# KiCad board k-1008-visable-memory.kicad_pcb (continued)
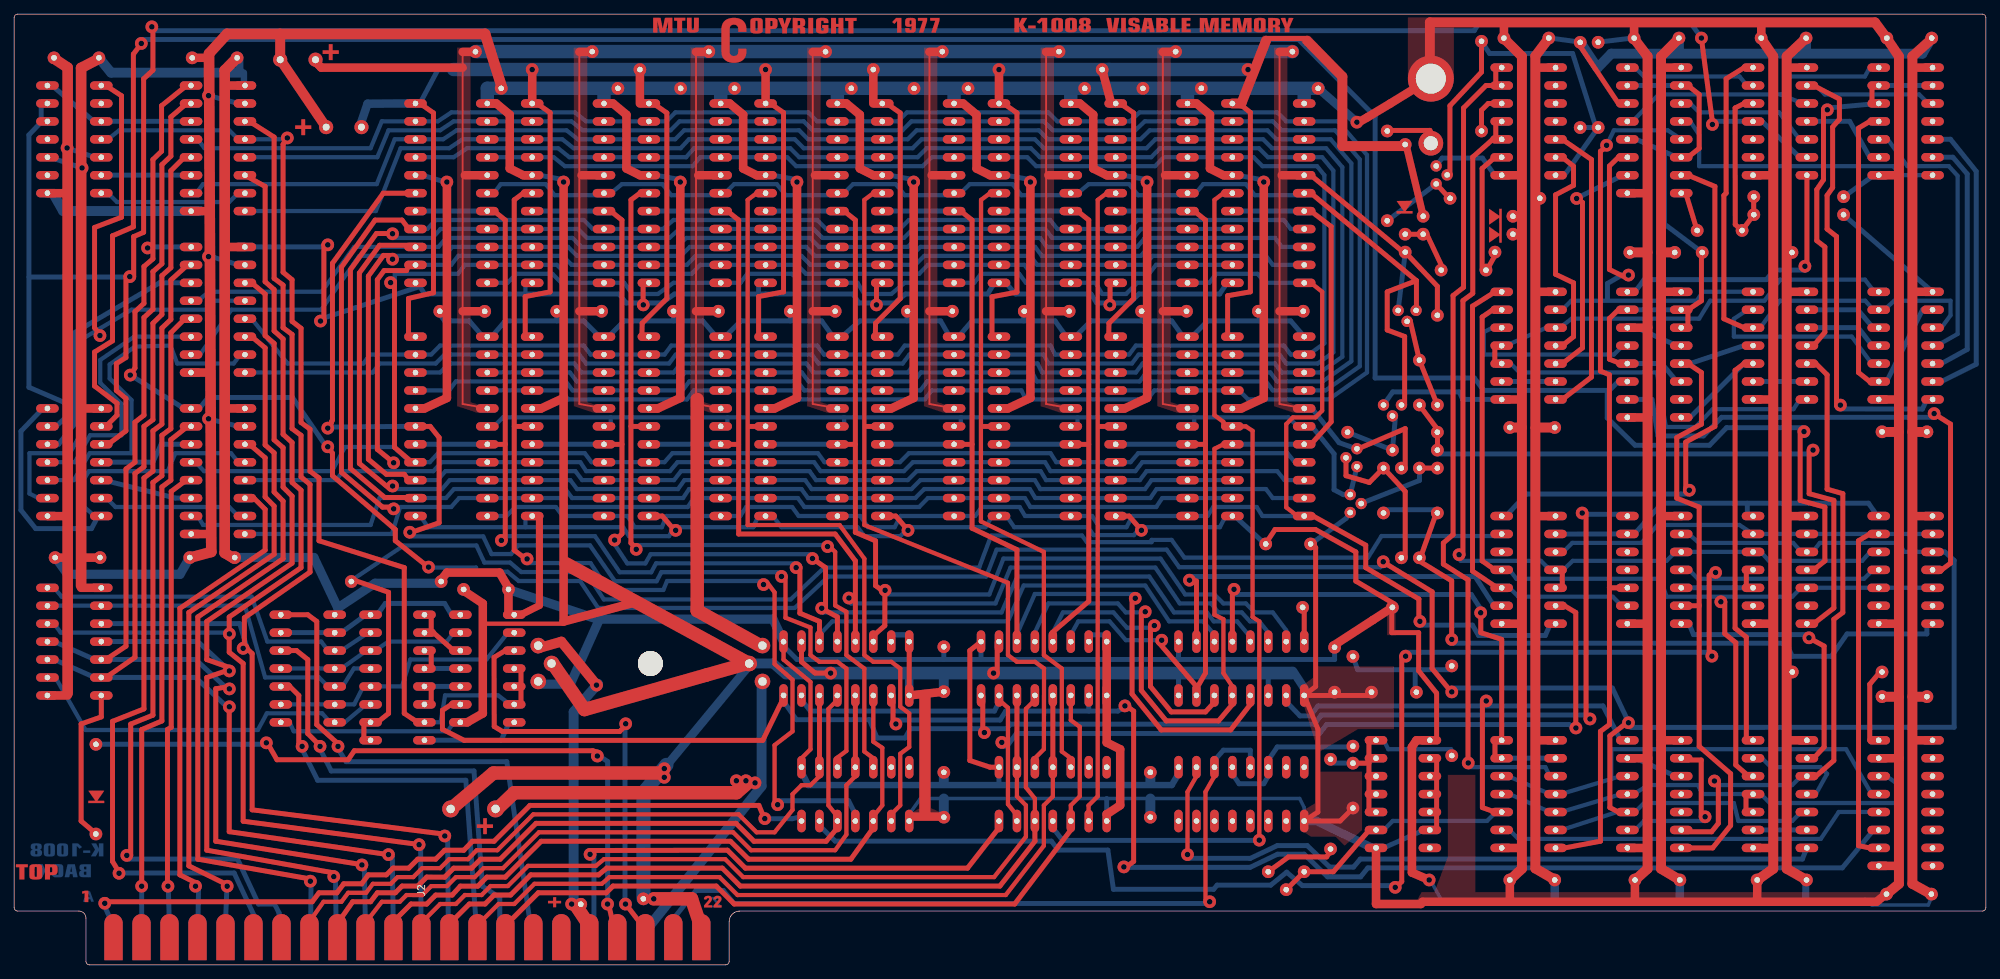
[diagram p0: board, top side]
## Nets (continued)
Net-(Q7-E): Q7.1 R14.1 R15.1
Net-(R16-Pad1): R16.1 U44.3
Net-(S1A-Pin_1): S1.1 U2.2 U2.13 U3.1
Net-(S1A-Pin_2): S1.2 U1.1 U2.12
Net-(S1A-Pin_3): S1.3 U2.4 U2.11 U3.2
Net-(S1A-Pin_4): S1.4 U1.2 U1.13 U2.10
Net-(S1A-Pin_5): S1.5 U2.6 U2.9 U3.13
Net-(S1A-Pin_6): S1.6 U1.6 U2.8
Net-(S1A-Pin_11): S1.11 S1.12 U3.5
Net-(S1A-Pin_13): S1.13 S1.14 U3.4
Net-(S1A-Pin_15): S1.15 S1.16 U3.3
Net-(S1B-Pin_7): R1.1 S1.7 S1.8 U15.2
Net-(S1B-Pin_9): S1.9 U3.8
Net-(U8B-O5b): R3.1 U8.11 U8.13
Net-(U8B-OEb): U8.15 U13.8
Net-(U9A-Clr): R4.1 U9.9
Net-(U9A-PE): U9.15 U15.6
Net-(U9A-Qh): U9.13 U11.1 U11.2 U11.13
Net-(U11-Pad12): U11.12 U44.1 U44.2
Net-(U12A-Q3): U12.6 U12.13
Net-(U12B-Q2): U12.9 U13.12 U31.10
Net-(U12B-Q3): U12.8 U16.9 U30.12 U31.4
Net-(U13-Pad6): U13.6 U13.9
Net-(U13-Pad11): U13.2 U13.11
Net-(U13-Pad13): U13.13 U16.8
Net-(U14A-~{Q}): U14.7 U15.12 U17.2 U17.13 U18.2 U18.13
Net-(U14A-~{R}): R6.2 U14.1
Net-(U14A-~{S}): U11.6 U14.5
Net-(U15-Pad5): U15.5 U16.6 U29.1
Net-(U15-Pad10): U15.10 U15.11 U16.12 U17.3 U18.3 U44.4 U44.5
Net-(U15-Pad13): U15.13 U16.2 U17.1 U18.1
Net-(U16-Pad10): U16.10 U17.4 U17.5
Net-(U16-Pad11): U4.2 U16.11 U18.4
Net-(U19A-CP): U19.1 U19.8 U20.13
Net-(U19A-Q0): U19.3 U33.3
Net-(U19A-Q1): U19.4 U33.6
Net-(U19A-Q2): U19.5 U33.10
Net-(U19A-Q3): U19.6 U33.13 U34.14
Net-(U19B-Q0): U19.11 U20.3
Net-(U19B-Q1): U19.10 U20.6
Net-(U19B-Q2): U19.9 U20.10
Net-(U29-Pad6): U29.6 U29.9
Net-(U29-Pad8): U29.8 U44.10
Net-(U29-Pad11): U29.11 U44.9
Net-(U30A-C): U29.3 U30.4
Net-(U30A-~{R}): U30.1 U46.8
Net-(U30B-~{Q}): U13.1 U30.9 U31.5
Net-(U31-Pad6): U31.6 U31.9
Net-(U31-Pad11): U31.11 U47.2 U47.3 U47.13
Net-(U32A-CP): U29.4 U29.5 U29.12 U31.8 U32.1
Net-(U32A-MR): U31.3 U32.2 U32.12 U46.1
Net-(U32A-Q0): U31.13 U32.3
Net-(U32A-Q1): U31.12 U32.4
Net-(U32A-Q2): U31.2 U32.5
Net-(U32A-Q3): U32.6 U32.13 U47.4
Net-(U32B-Q0): U32.11 U47.5
Net-(U32B-Q1): U32.10 U47.9
Net-(U32B-Q2): U32.9 U47.10
Net-(U32B-Q3): U32.8 U46.13 U47.12
Net-(U34A-CP1..3): U34.1 U34.12 U35.3
Net-(U34A-Q1): U34.9 U35.6
Net-(U34A-Q2): U34.8 U35.10
Net-(U45A-C): U45.4 U46.12 U47.1
Net-(U45A-Q): U29.13 U31.1 U45.6
Net-(U45A-~{Q}): U29.10 U45.7
Net-(U45A-~{R}): U45.1 U46.2
Net-(U45B-C): U11.8 U16.5 U45.12
Net-(U45B-J): U45.14 U46.10
Net-(U45B-Q): U15.1 U45.10
Net-(U45B-~{K}): U45.13 U47.8
Net-(U45B-~{Q}): C33.2 U45.9
Net-(U46-Pad11): U46.11 U47.6

Pads without a net: J2 1 2 3 4 5 6 7 16 17 21 U W Z; U4 8 9; U6 8 9; U8 1 2 3 4 5 6 7 9 10; U10 8; U12 10 11; U14 9 10 11 12 13 14 15; U15 3; U16 3 4; U17 6 9; U18 6 9; U30 10; U34 4 6 13; U44 11 12 13; U46 5 6; U47 11

## Via types
v1: diameter 1.8, hole 0.8, Top to Bottom, 141 vias

## Routing (per net, layer and track width the routed paths; a pad name or vN(x,y) marks a point on that pad's centre or on a via; arc(x,y) is an arc through that point)
+5V: length 1626.2
  Top w0.6: 111.39,27.99 111.39,29.26 112.66,30.53 112.66,40.05 108.85,43.23 108.85,45.77
  Top w0.7: 155.04,96.58 155.04,93.41 ; 201.24,31.8 201.24,38.46 198.7,41.64 198.7,47.04 194.89,47.04 194.89,50.85 ; 228.23,121.97 226.96,121.97 221.25,130.54 ; 126.63,61.32 124.73,63.55 122.82,63.55 ; 159.65,61.32 157.75,63.55 155.84,63.55 ; 139.33,27.99 138.06,27.99 135.2,28.94 135.2,44.5 136.79,45.77 ; 43.82,91.17 43.82,101.96 ; 177.11,59.74 178.38,61.64 184.1,61.64 189.81,58.47 189.81,54.34 195.21,51.13 ; 88.98,96.57 88.98,93.39 ; 93.61,61.32 91.71,63.55 89.8,63.55 ; 122,96.62 122,93.44
  Top w1: 74.32,63.59 74.32,50.89 71.7,49.58 70.75,49.58
  Top w1.2: 253.63,63.55 250.77,63.55 ; 69.93,53.07 69.93,49.58 ; 200.2,12.02 197.75,13.06 197.75,30.84 198.39,31.8 200.29,31.8 ; 271.41,31.8 268.55,31.8 ; 253.63,95.3 250.77,95.3 ; 218.07,127.05 215.21,127.05 ; 271.41,127.05 268.55,127.05 ; 12.33,53.39 9.48,53.39 ; 235.85,63.55 232.99,63.55 ; 32.65,124.51 29.79,124.51 ; 235.85,31.8 232.99,31.8 ; 195.11,50.7 192.23,48.83 186.64,45.2 ; 12.33,78.79 9.48,78.79 ; 218.07,31.8 215.21,31.8 ; 235.85,95.3 232.99,95.3 ; 218.07,95.3 215.21,95.3 ; 218.07,63.55 215.21,63.55 ; 32.65,78.79 29.79,78.79 ; 235.85,127.05 232.99,127.05 ; 253.63,127.05 250.77,127.05 ; 271.41,63.55 268.55,63.55 ; 32.65,101.65 29.79,101.65 ; 250.77,31.8 253.63,31.8 ; 60.27,54.34 61.23,55.55 68.68,55.55 70.12,53.07 ; 9.48,57.67 12.02,57.67 ; 271.41,95.3 268.55,95.3
  Top w1.4: 271.41,9.89 268.55,11.48 268.55,128.63 271.26,131.08 ; 253.51,131.22 250.77,128.63 250.77,13.61 253.57,12.01 ; 232.99,100.88 234.9,100.88 ; 268.55,75.46 270.46,75.46 ; 268.55,37.97 270.46,37.97 ; 217.13,131.22 215.21,128.68 215.21,13.66 217.96,12.05 ; 215.22,76.08 217.91,76.08 ; 235.66,12.01 232.99,13.61 232.99,128.63 235.52,131.17
  Top w1.5: 31.07,57.57 29.79,58.33 29.79,126.66 31.57,128.48 ; 9.48,53.7 9.48,127 12.02,128.32
  Bottom w0.5: 271.41,9.9 270.8,8.47 262.83,8.47 261.88,9.27 201.87,9.27 200.29,12.13
  Bottom w0.6: 72.33,94.99 72.33,96.58 ; 172.35,63.56 171.39,63.56 170.59,61.97 159.33,61.97 158.43,60.85 152.71,60.85 151.94,61.97 141.48,61.97 140.41,63.56 138.37,63.56 137.42,61.97 126.63,61.97 125.36,60.7 120.28,60.7 119.32,61.97 108.55,61.97 107.34,63.56 105.28,63.56 104.57,61.97 93.29,61.97 92.65,60.7 86.98,60.7 86.16,61.97 58.54,61.97 57.47,63.56 56.78,63.56 ; 72.33,61.97 72.33,63.56
  Bottom w0.7: 164.73,45.78 164.73,43.24 ; 186.82,45.14 186.82,43.24 110.75,43.24 108.85,45.14 108.85,45.78 ; 5.03,114.36 9.79,112.77 ; 176.8,59.75 172.66,63.56 ; 217.11,131.26 221.58,130.65 ; 271.41,95.31 258.82,106.2 ; 105.32,96.57 105.32,95.01 ; 136.79,45.78 136.79,43.24 ; 131.53,43.24 131.53,45.14 ; 32.65,101.66 44.39,101.66 ; 172.35,96.58 171.61,96.58 170.55,94.99 159.11,94.99 157.84,93.72 153.15,93.72 152.34,94.99 141.67,94.99 140.28,96.58 138.69,96.58 137.74,94.99 126.1,94.99 124.58,93.72 119.5,93.72 118.69,94.99 93.43,94.99 91.62,93.72 86.56,93.72 85.61,94.99 58.05,94.99 57.41,96.06 43.2,91.39 ; 139.33,28 139.33,25.46
  Bottom w0.9: 111.39,28 111.39,27.37 112.34,25.46 163.77,25.46 164.73,27.05 164.73,28 ; 32.51,124.42 32.51,126.33
  Bottom w1: 253.47,12.03 253.47,9.26
  Bottom w1.1: 31.89,126.42 31.89,128.44
  Bottom w1.2: 235.65,11.91 235.65,9.26 ; 217.96,12.03 217.96,9.26
  Bottom w1.3: 73.92,39.75 78.68,39.75 82.81,48.96 107.35,48.96 108.78,45.94 ; 82.49,48.96 70.11,53.08 ; 31.38,57.68 42.41,57.68 45.8,50.54 51.06,54.04 60.41,54.04
  Bottom w1.4: 235.53,129.4 235.53,131.41 ; 131.53,25.96 131.53,27.28 ; 12.16,128.23 13.71,126.33 32.02,126.33 ; 221.57,130.65 224,127 225.95,129.02 269.97,129.02 271.27,131.28 ; 253.51,129.4 253.51,131.41 ; 160.75,25.92 160.75,27.26
  vias: v1(9.61,112.84) v1(43.34,91.16) v1(44.37,101.95) v1(89.01,93.45) v1(93.59,61.53) v1(122,93.45) v1(126.46,61.53) v1(155.01,93.45) v1(159.48,61.53) v1(200.19,12.02)
+12V: length 730.6
  Top w0.265: 149.49,78.79 146,79.42 146,129.27 ; 112.98,129.27 112.98,79.42 116.47,78.79 ; 66.94,78.79 63.45,79.42 63.45,129.27 ; 83.45,78.79 79.96,79.42 79.96,129.27 ; 96.47,129.27 96.47,79.42 99.96,78.79 ; 129.49,129.27 129.49,79.42 132.98,78.79 ; 162.51,129.27 162.51,79.42 166,78.79 ; 179.02,129.27 179.02,79.42 182.51,78.79
  Top w0.7: 201.36,92.12 201.36,96.08 196.8,100.91 ; 196.8,70.21 196.8,75.93 190.13,73.07 ; 196.8,100.69 183.46,111.81 182.51,111.81
  Top w1.2: 116.15,92.56 112.98,92.56 ; 131.39,129.27 129.49,129.27 ; 164.41,129.27 162.51,129.27 ; 166,111.81 162.83,111.81 ; 83.45,111.81 80.28,111.81 ; 83.13,92.56 79.96,92.56 ; 81.86,129.27 79.96,129.27 ; 66.62,92.56 63.45,92.56 ; 65.35,129.27 63.45,129.27 ; 98.37,129.27 96.47,129.27 ; 180.92,129.27 179.02,129.27 ; 132.66,92.56 129.49,92.56 ; 132.98,111.81 129.81,111.81 ; 99.96,111.81 96.79,111.81 ; 149.17,92.56 146,92.56 ; 182.19,92.56 179.02,92.56 ; 149.49,111.81 146.32,111.81 ; 116.47,111.81 113.3,111.81 ; 99.64,92.56 96.47,92.56 ; 42.49,128 43.45,127.05 63.45,127.05 ; 182.51,111.81 179.34,111.81 ; 114.88,129.27 112.98,129.27 ; 147.9,129.27 146,129.27 ; 165.68,92.56 162.51,92.56 ; 66.94,111.81 63.77,111.81
  Top w1.9: 105.68,45.13 96.64,50.16 96.64,80.06
  Bottom w0.7: 195.79,92.67 196.82,100.92 ; 189.97,73.06 187.45,73.94 183.61,78.8 182.5,78.8
  Bottom w1.9: 180.84,129.32 65.26,129.32
-5V: length 508.1
  Top w0.7: 55.79,88.95 55.79,94.36 59.32,95.17 59.32,120.63 57.42,121.97 56.78,121.97 ; 72.3,88.98 72.3,94.63 75.83,95.29 75.83,120.66 73.93,122 73.29,122 ; 154.85,88.95 154.89,90.85 158.38,94.34 158.38,120.63 156.48,121.97 155.84,121.97 ; 171.68,88.95 171.68,94.75 174.89,95.3 174.89,120.7 173.3,121.97 172.67,121.97 ; 121.83,88.95 121.87,90.85 125.36,94.34 125.36,120.63 123.46,121.97 122.82,121.97 ; 89.8,121.97 90.44,121.97 92.34,120.63 92.34,94.34 88.85,90.85 88.81,88.95 ; 139.33,121.97 139.97,121.97 141.87,120.63 141.87,95.26 138.34,94.6 138.34,88.95 ; 105.32,88.98 105.32,94.63 108.85,95.29 108.85,120.66 106.95,122 106.31,122 ; 177.11,131.17 182.83,131.17
  Top w1: 196.89,116.25 199.34,106.09
  Top w1.2: 139.33,121.97 139.33,126.73 ; 106.31,121.97 106.31,126.73 ; 153.94,126.73 155.21,121.97 ; 121.55,121.97 121.55,126.73 ; 73.29,121.97 73.29,126.73 ; 88.53,121.97 88.53,126.73
  Top w1.4: 177.11,130.86 173.62,121.97 172.35,121.97 ; 182.93,130.86 187.91,125.78 187.91,115.93 196.8,115.93
  Bottom w0.7: 56.78,121.98 57.41,121.98 59.95,126.74 62.17,126.74
  Bottom w1.2: 56.78,121.98 50,121.94 48.87,118.62
  Bottom w1.9: 174.56,126.78 62.17,126.78
  vias: v1(73.29,126.77) v1(106.31,126.77) v1(139.33,126.77) v1(174.56,126.77)
/+7.5V_RAW: length 47
  Top w1.4: 82.5,39.52 77.42,45.77 74.09,44.82
  Top w1.9: 79.58,8.26 81.23,5.76
  Bottom w1.4: 79.15,8.63 79.15,35.82 82.59,39.81
  vias: v1(78.87,8.61) v1(82.39,39.61)
/+16V_RAW: length 78.2
  Top w1.9: 68.21,21.95 70.75,24.37 102.18,24.37 103.77,25.76
  Bottom w1.4: 105.75,40.07 105.75,25.31 89.26,4.72
  vias: v1(102.18,26.07) v1(103.53,26.07) v1(104.82,25.77)
GND: length 2385.4
  Top w0.25: 37.64,131.8 37.63,131.81 ; 266.62,29.26 266.65,29.23 ; 231.06,90.22 231.09,90.25
  Top w0.6: 66.31,48.31 77.74,48.31
  Top w0.7: 201.24,19.1 201.24,29.26 ; 182.51,38.15 184.13,39.42 184.13,59.09 183.46,59.74 ; 182.51,38.15 184.45,33.38 184.45,21.64 182.51,20.37 187.59,20.37 189.5,22.27 ; 182.51,38.15 192.04,38.15 ; 115.52,41.32 113.3,41.32 111.39,42.91 111.39,45.77 ; 139.08,45.77 139.08,41.32 ; 126.63,45.77 126.63,38.15
  Top w1.2: 110.76,110.85 110.76,80.27 107.58,78.79 106.31,78.79 ; 56.78,78.79 58.05,78.79 61.23,80.27 61.23,110.85 ; 263.79,48.31 266.65,48.31 ; 160.29,110.85 160.29,80.27 157.11,78.79 155.84,78.79 ; 228.23,77.52 231.09,77.52 ; U14.2 266.62,29.26 ; 210.45,80.06 213.31,80.06 ; U12.2 231.09,29.26 ; 229.18,131.49 229.18,133.08 ; 73.29,78.79 74.56,78.79 77.74,80.27 77.74,110.85 ; 25.03,61.01 27.89,61.01 ; 210.45,16.56 213.31,16.56 ; 176.8,110.85 176.8,80.27 173.62,78.79 172.35,78.79 ; 89.8,78.79 91.07,78.79 94.25,80.27 94.25,110.85 ; 247.17,133.08 247.17,131.17 ; 25.03,83.87 27.57,83.87 ; 265.06,10.21 263.47,8.94 199.25,8.94 199.02,8.62 192.67,8.62 192.67,16.56 ; 154.57,21.32 156.48,22.59 156.48,30.53 154.57,31.48 154.57,38.15 ; 132.98,121.97 134.25,121.97 136.16,120.38 136.16,112.76 138.06,111.81 139.33,111.81 ; 246.01,16.56 248.87,16.56 ; 126.63,21 131.39,21 ; 143.78,110.85 143.78,80.27 140.6,78.79 139.33,78.79 ; 263.79,80.06 266.65,80.06 ; 228.23,48.31 231.09,48.31 ; 77.74,80.37 77.74,48.61 ; 246.01,80.06 248.87,80.06 ; 166,121.97 167.27,121.97 169.18,120.38 169.18,112.76 171.08,111.81 172.35,111.81 ; 211.6,8.96 211.6,12 ; 126.63,38.15 131.52,38.68 ; 229.3,8.94 229.3,11.97 ; 228.23,109.27 231.09,109.27 ; 64.08,34.34 66.31,35.61 66.31,51.16 63.45,53.07 ; 210.45,48.31 213.31,48.31 ; 89.8,111.81 88.53,111.81 86.63,112.76 86.63,120.38 84.72,121.97 83.45,121.97 ; 77.74,48.61 88.21,51.42 ; 246.01,111.81 248.87,111.81 ; 127.27,110.85 127.27,80.27 124.09,78.79 122.82,78.79 ; 116.47,121.97 117.74,121.97 119.65,120.38 119.65,112.76 121.55,111.81 122.82,111.81 ; 210.45,111.81 213.31,111.81 ; 155.84,111.81 154.57,111.81 152.67,112.76 152.67,120.38 150.76,121.97 149.49,121.97 ; 190.32,119.36 191.44,120 194.7,121.97 199.34,124.82 ; U7.8 U7.9 ; 246.01,48.31 248.87,48.31 ; 27.57,128.43 25.35,128.43 ; 246.6,8.95 246.6,11.98 ; 4.71,38.15 7.57,38.15 ; 263.79,14.02 266.65,14.02 ; 263.79,111.81 266.65,111.81 ; 4.71,109.27 7.57,109.27 ; 5.98,57.67 7.57,57.67 ; 210.77,131.49 210.77,133.08 ; 99.96,121.97 101.23,121.97 103.14,120.38 103.14,112.76 105.04,111.81 106.31,111.81 ; 73.29,111.81 72.02,111.81 70.12,112.76 70.12,120.38 68.21,121.97 66.94,121.97 ; 228.23,16.56 231.09,16.56 ; 4.71,63.55 7.57,63.55 ; U30.3 231.06,90.22 ; 25.03,106.73 27.57,106.73
  Top w1.4: C51.2 37.64,131.8 ; 210.77,131.17 213.31,128.63 213.31,13.61 211.6,12.01 ; 229.17,131.17 231.09,128.63 231.09,13.61 229.32,12.01 ; 264.93,131.19 263.26,133.45 200.29,133.45 200.29,125.46 ; 264.11,37.97 266.65,37.97 ; 44.14,118.59 37.65,128.18 ; 246.6,12.01 248.87,13.61 248.87,128.63 247.15,131.19 ; 211.56,76.08 213.3,76.08 ; 264.95,131.17 266.65,128.63 266.65,11.48 264.74,9.89 ; 228.55,100.88 231.09,100.88 ; 264.43,75.46 266.65,75.46
  Top w1.5: 69.05,124.14 66.62,131.81 30.11,131.81 27.57,129.03 27.89,58.47 25.03,57.7 ; 7.57,38.46 7.57,127.05 5.67,128.32
  Top w1.6: 128.85,21.32 128.85,38.15
  Top w1.9: 90.48,9.35 95.83,9.35 97.25,5.13 ; 76.14,42.76 80.69,36.15 97.9,41.03 103.9,42.73 ; 91.71,27.17 67.81,27.17 61.76,22.07 ; 104.09,42.59 78.09,56.79
  Bottom w0.5: 182.51,20.38 182.51,22.29 181.87,23.56 128.21,23.56 126.63,21.33 126.63,20.38
  Bottom w0.6: 37.73,34.35 38.96,34.35 39.55,33.08 61.34,33.08 62.17,34.35 63.13,34.35
  Bottom w0.7: 122.82,111.82 123.77,111.82 127.26,111.18 ; 143.77,111.18 140.28,111.82 139.33,111.82 ; 224.12,130.65 229.2,131.26 ; 235.68,26.73 235.04,26.73 229.33,29.27 228.06,29.27 ; 152.03,46.73 154.57,46.73 ; 172.03,111.82 172.98,111.82 176.47,111.18 ; 154.57,20.38 154.57,23.56 ; 201.18,113.13 202.02,114.24 207.74,114.24 209.45,111.82 210.45,111.82 ; 182.51,88.96 180.6,91.18 168.85,91.18 166.63,88.96 165.36,88.96 163.77,91.18 152.34,91.18 150.12,88.96 148.85,88.96 147.26,91.18 135.52,91.18 133.61,88.96 132.34,88.96 131.07,91.18 119.64,91.18 117.1,88.96 115.83,88.96 114.24,91.18 102.81,91.18 100.59,88.96 99.32,88.96 97.42,91.18 86.3,91.18 84.08,88.96 82.81,88.96 80.59,91.18 69.48,91.18 67.57,88.96 66.3,88.96 64.4,91.18 60.9,91.18 59.95,92.45 ; 193.73,79.28 195.04,81.13 204.45,81.13 204.93,80.07 210.31,80.07 ; 27.57,77.3 31.69,76.26 32.65,76.26 ; 93.29,91.18 93.29,92.45 ; 126.31,91.18 126.31,92.45 ; 109.8,91.18 109.8,92.45 ; 32.65,99.12 31.69,99.12 27.57,100.39 ; 235.85,87.69 235.21,87.69 229.5,90.23 228.23,90.23 ; 160.28,111.18 156.79,111.82 155.84,111.82 ; 142.82,91.18 142.82,92.45 ; 159.65,91.18 159.65,92.45 ; 94.24,111.18 90.75,111.82 89.8,111.82 ; 76.78,91.18 76.78,92.72 ; 60.9,110.87 57.73,111.82 56.78,111.82 ; 176.16,91.18 176.16,92.45 ; 106.31,111.82 107.26,111.82 110.75,111.18 ; 177.43,38.16 177.43,41.34 ; 73.29,111.82 74.24,111.82 77.73,111.18 ; 32.65,121.98 31.69,121.98 27.25,123.16 ; 263.79,111.82 263.15,111.82 258.83,108.76 ; 7.57,115.63 11.38,114.36 12.33,114.36 ; 200.12,19.11 199.48,19.11 193.77,16.57 192.5,16.57 ; 189.04,64.06 188.45,63.23 183.44,59.58 ; 164.73,38.16 164.73,41.34 ; 124.09,46.73 126.63,46.73 124.09,46.73
  Bottom w1.2: 183.04,20.38 184.24,20.38 192.12,16.57 ; 154.57,38.16 154.57,41.34 ; 126.63,38.16 126.63,41.34 ; 104.18,42.61 92.65,28.63 ; 189.96,119.33 184.48,124.12 ; 180.92,41.62 182.51,39.18 182.51,38.16
  Bottom w1.3: 5.98,57.53 7.57,55.31 23.47,55.31 24.74,57.53
  Bottom w1.4: 103.99,42.68 107.36,42.68 109.16,41.12 ; 5.66,108.96 6.93,106.74 26.3,106.74 ; 160.75,21.02 160.75,23.56 ; 131.53,21.02 131.53,23.56 ; 131.53,38.68 131.53,41.34
  Bottom w1.8: 109.46,41.32 180.66,41.32
  Bottom w1.9: 149.49,122.51 149.49,123.67 ; 99.96,122.51 99.96,123.67 ; 132.98,122.51 132.98,123.67 ; 116.47,122.51 116.47,123.67 ; 182.51,122.51 182.51,123.67 ; 66.94,122.61 66.95,124.12 184.48,124.12 ; 166,122.51 166,123.67 ; 83.45,122.51 83.45,123.67
  Bottom w2: 92.28,28.32 89.03,24.38 89.03,9.44
  vias: v1(7.49,115.67) v1(27.5,123.07) v1(27.5,100.28) v1(27.5,77.32) v1(61.22,110.85) v1(77.73,110.85) v1(90.49,9.35) v1(91.98,27.79) v1(91.98,26.56) v1(94.24,110.85) v1(110.75,110.85) v1(115.51,41.31) v1(127.26,110.85) v1(138.56,41.31) v1(143.77,110.85) v1(160.28,110.85) v1(176.79,110.85) v1(189.96,119.32)
10K_PULLUP: length 86.6
  Top w0.7: 235.85,124.51 236.8,124.51 238.39,123.24 238.39,115.62 236.8,114.35 235.85,114.35 ; 238.71,100.69 238.71,94.03 236.8,92.76 235.85,92.76 ; 228.23,85.14 227.28,85.14 225.69,85.76 225.69,91.52 226.96,92.76 228.23,92.76 ; 236.8,90.23 236.8,92.77
  Bottom w0.7: 233.49,115.04 233.49,104.88 238.83,100.87 ; 235.85,82.61 235.21,82.61 233.11,85.15 228.23,85.15 ; 228.23,116.9 229.5,116.9 235.21,114.36 235.85,114.36 ; 228.23,124.52 235.85,124.52 ; 228.2,92.75 235.82,92.75
/Address decoding and multiplexing/DISP_AD_12: length 145.1
  Top w0.7: 71.7,36.88 71.7,41.96 ; 38.68,117.2 38.05,116.18 38.05,98.07 39.32,97.01 39.32,91.12 40.59,90.13 40.59,76.8 41.86,75.85 41.86,69.9 43.13,68.94 43.13,60.05 55.19,56.24 55.19,35.61 57.1,34.34 58.05,34.34
  Bottom w0.6: 38.68,116.9 31.69,116.9 30.42,118.17 14.87,118.17 13.28,116.9 12.33,116.9 ; 70.75,36.89 70.11,36.89 68.48,38.16 60.97,38.16 60.34,34.35 58.05,34.35
  vias: v1(38.65,117.09)
/Address decoding and multiplexing/DISP_AD_CLR: length 379.2
  Top w0.7: 240.3,119.11 238.71,131.17 ; 16.91,97.45 16.91,103.11 18.32,103.73 18.32,125.46 19.63,126.68 19.63,132.76 ; 15.82,97.52 15.82,86 14.46,85.14 14.46,81.33 15.82,80.2 15.82,75.61 13.29,73.71 12.33,73.71
  Bottom w0.7: 2.11,97.39 16.6,97.39 ; 19.47,132.28 206.57,132.28 207.45,133.69 236.95,133.69 238.72,131.25 ; 253.63,114.36 252.6,114.36 247.28,119.44 240.29,119.44 ; 3.83,121.88 3.83,119.35 2.09,117.51 2.09,81.79 7.22,79.58 7.22,77.43 5.81,76.16 4.54,76.16
  vias: v1(16.36,97.45) v1(19.48,132.82) v1(238.71,131.23) v1(240.26,119)
/Address decoding and multiplexing/DISP_AD_Ø: length 372.4
  Top w0.7: 12.33,76.25 12.97,76.25 14.55,77.83 14.55,79.52 11.38,81.96 11.38,86.77 13.92,88.36 13.92,103.23 16.87,104.5 16.87,128.95 18.05,130.54 ; 252.68,75.61 252.68,65.77 256.17,64.82 256.17,57.2 254.58,55.93 253.63,55.93
  Bottom w0.7: 225.39,81.25 225.39,77.43 229.33,73.58 239.86,73.58 242.27,76.06 253.21,76.06 ; 228.23,82.61 226.96,82.61 225.69,81.34 207.91,81.34 206.58,83.1 192.54,83.1 192.54,120.11 181.7,131.03 17.99,131.03
  vias: v1(17.99,130.47) v1(253.22,75.51)
/Address decoding and multiplexing/DOT_4: length 469.9
  Top w0.7: 203.47,38.46 200.61,41.96 200.61,52.82 193.31,57.27 ; 25.03,124.51 24.4,124.51 20.86,121.65 20.86,115.21 19.64,114.03 19.64,99.97 18.37,98.88 18.37,93.66 17.09,92.49 17.09,84.5 16.46,83.55 ; 44.4,73.39 45.03,72.44 45.03,69.26 53.92,61.64 53.92,60.05 58.69,56.24 ; 228.23,21.64 226.96,21.64 225.76,22.27 225.76,32.43 228.23,34.34
  Bottom w0.6: 271.4,58.48 267.36,58.48 266.73,59.75 255.46,59.75 254.46,58.48 252.82,58.48 251.68,59.75 238.35,59.75 236.95,60.99 235.68,60.99 ; 58.68,56.26 65.35,56.26 65.35,55.67 69.79,55.67 71.38,54.35 80.07,54.35 82.61,50.54 110.44,50.54 115.2,54.99 137.53,54.99 139,58.8 163.05,58.8 164.83,56.31 193.3,56.31 193.94,56.89 ; 253.46,21.65 252.82,21.65 251.55,20.38 243.93,20.38 243.3,22.92 230.6,22.92 229.33,21.65 226.79,21.65 218.93,19.11
  Bottom w0.7: 16.45,83.51 24.07,78.75 26.18,78.75 27.45,80.34 39.38,80.34 44.16,73.35 ; 203.4,39.2 226.11,39.2 228.76,33.62 274.46,33.64 274.46,57.27 273.14,58.47 271.87,58.47 ; 25.03,101.66 18.99,101.66
  vias: v1(16.43,83.51) v1(18.88,101.51) v1(44.37,73.36) v1(58.63,56.32) v1(193.69,57.08) v1(203.39,38.65) v1(228.39,34.28)
/Address decoding and multiplexing/~{BOARD_ADDR}: length 218.5
  Top w0.7: 222.39,63.94 222.39,34.82 ; 108.85,38.15 108.85,37.8 105.91,31.8 63.64,31.8 60.59,33.36 60.59,36.05 61.86,36.88 63.13,36.88 ; 137.04,38.15 137.04,33.07
  Bottom w0.7: 221.71,63.8 228.06,63.81 ; 222.94,35.38 184.93,35.38 183.95,34.08 140.91,34.08 140.47,33.45 126.78,33.45 126.05,32.13 122.08,32.13 121,34.72 110.67,34.72 108.94,37.22 108.85,38.16
  vias: v1(137.26,32.89) v1(221.84,63.98) v1(222.94,34.82)
/KIM_A0: length 110.1
  Top w0.7: 12.65,8.94 42.18,8.94 43.13,10.21 45.67,10.21 46.62,11.48 49.16,11.48 50.11,12.75 52.65,12.75 53.61,13.7 55.83,13.7 57.1,14.97 59.64,14.97 60.91,16.23 63.62,16.23 64.84,17.5 67.89,17.5 72.97,22.58 105.36,22.58 106.31,20.36
  Bottom w0.7: 111.39,21.01 110.12,20.7 106.31,20.7 ; 12.65,8.63 14.23,5.14
  vias: v1(12.82,8.72) v1(106.2,20.71)
/KIM_A1: length 76.2
  Top w0.7: 18.05,11.16 18.05,33.32 20.9,34.54 20.9,67.67 22.17,68.63 22.17,74.36 24.55,76.25 25.03,76.25
  Bottom w0.7: 18.04,11.17 18.04,4.19
  vias: v1(18.04,11.14)
/KIM_A2: length 66.8
  Top w0.7: 24.97,68.63 24.33,68.63 22.22,67.04 22.22,33.65 21.69,33.34 21.69,11.11
  Bottom w0.7: 21.8,11.17 22.02,3.87
  vias: v1(21.76,11.14)
/KIM_A3: length 70.8
  Top w0.7: 25.99,11.48 23.45,12.75 23.45,50.47 35.51,58.73 35.51,64.5 33.92,66.09 32.65,66.09
  Bottom w0.7: 26.1,11.17 25.98,4.82
  vias: v1(25.66,11.14)
/KIM_A4: length 82.5
  Top w0.7: 32.65,73.71 33.29,73.71 35.51,71.8 35.51,66.25 36.78,64.96 36.78,58.15 24.71,49.89 24.71,14.02 30.43,11.21
  Bottom w0.7: 30.11,11.17 29.79,3.23
  vias: v1(30.14,11.14)
/KIM_A5: length 117.8
  Top w0.7: 25.03,99.11 24.53,99.11 22.18,96.97 22.18,91.38 20.91,90.17 20.91,76.56 19.64,75.61 19.64,69.9 18.37,68.94 18.37,36.24 13.92,34.49 13.92,14.65 14.87,13.06
  Bottom w0.7: 14.87,13.01 31.13,13.01 33.92,7.05 33.92,4.82
  vias: v1(14.84,12.97)
/KIM_A6: length 109.6
  Top w0.7: 25.03,91.49 24.22,91.56 22.18,89.5 22.18,75.93 20.91,74.98 20.91,69.26 19.64,68.31 19.64,35.36 16.49,34.09 16.49,15.56
  Bottom w0.7: 15.94,14.98 31.6,14.98 34.58,8.61 36.85,8.61 37.48,7.36 37.48,5.14
  vias: v1(15.94,15.5)
/KIM_A7: length 105.8
  Top w0.7: 42.18,12.11 25.98,14.97 25.98,49.26 38.05,57.51 38.05,65.67 36.78,66.95 36.78,72.5 35.51,73.62 35.51,87.36 33.6,88.95 32.65,88.95
  Bottom w0.7: 42.01,11.81 41.95,5.78
  vias: v1(41.91,11.85)
/KIM_A8: length 139.8
  Top w0.7: 45.35,13 27.25,16.24 27.25,40.69 30.43,41.79 ; 32.65,96.57 33.6,96.57 35.51,94.98 35.51,89.09 36.78,87.99 36.78,74.34 38.05,73.23 38.05,67.65 39.32,66.38 39.32,56.88 27.25,48.62 27.25,43.23 30.75,42
  Bottom w0.7: 30.43,41.65 25.98,45.78 12.33,45.78 ; 45.46,12.44 45.55,5.46
  vias: v1(30.45,41.62) v1(45.22,12.5)
/KIM_A9: length 166.9
  Top w0.7: 25.03,121.97 24.4,121.97 22.18,120.06 22.18,114.51 20.91,113.3 20.91,99.27 19.64,98.15 19.64,92.83 18.37,91.66 18.37,77.83 17.09,76.84 17.09,71.17 15.83,70.21 15.83,45.13 12.97,43.23 12.33,43.23 ; 49.48,14.14 28.53,17.51 28.52,39.1 30.43,39.42
  Bottom w0.7: 49.55,14.15 49.7,5.46 ; 30.42,38.85 25.66,43.24 11.38,43.24 5.66,45.78 4.71,45.78
  vias: v1(30.45,39.08) v1(49.2,14.15)
/KIM_A10: length 158.7
  Top w0.7: 52.97,15.6 30.43,18.86 30.43,36.56 ; 25.03,114.35 24.08,114.35 22.18,112.44 22.18,98.72 20.91,97.59 20.91,92.09 19.64,90.85 19.64,77.2 18.37,76.25 18.37,70.53 17.09,69.58 17.09,43.54 12.97,40.69 12.33,40.69
  Bottom w0.7: 30.06,36.57 25.66,40.7 11.38,40.7 5.66,43.24 4.71,43.24 ; 53.5,15.61 53.64,5.46
  vias: v1(30.45,36.54) v1(52.96,15.61)
/KIM_A11: length 165.1
  Top w0.7: 32.65,111.81 35.51,110.22 35.51,96.73 36.78,95.61 36.78,89.76 38.05,88.63 38.05,75.12 39.32,73.97 39.32,68.31 40.59,67.21 40.59,56.24 30.43,49.26 30.43,46.72 ; 57.42,17.03 32.4,20.34 32.4,42.68 30.43,44.26 30.43,47.04
  Bottom w0.6: 30.42,47.05 6.58,47.05 5.66,48.32 4.71,48.32
  Bottom w0.7: 57.51,16.89 57.57,5.46
  vias: v1(30.45,46.86) v1(57.29,17.02)
/KIM_A12: length 171.9
  Top w0.7: 61.23,18.46 33.67,21.95 33.67,44.07 32.57,45.13 32.57,49.15 41.86,55.61 41.86,68.02 40.59,69.09 40.59,74.98 39.32,75.93 39.32,89.26 38.05,90.22 38.05,96.25 36.78,97.2 36.78,117.2 33.29,119.43 32.65,119.43
  Bottom w0.7: 12.33,48.32 31.92,48.32 32.95,44.84 ; 61.33,18.16 61.42,5.14
  vias: v1(32.4,44.82) v1(60.93,18.25)
/KIM_A13: length 58.6
  Top w0.7: 40.27,30.84 40.27,38.15 39,39.42 37.73,39.42
  Bottom w0.7: 65.48,4.19 63.9,26.14 42.94,26.14 40.58,30.86
  vias: v1(40.74,30.94)
/KIM_A14: length 66.1
  Top w0.7: 43.45,30.84 41.54,32.75 41.54,43.23 39.95,44.5 37.73,44.5
  Bottom w0.7: 68.7,4.19 68.7,9.51 66.26,11.13 65.06,27.46 44.87,27.46 43.12,30.86
  vias: v1(43.28,30.94)
/KIM_A15: length 74.6
  Top w0.7: 45.99,31.16 42.81,34.02 42.81,48.62 41.54,49.58 37.73,49.58
  Bottom w0.7: 73.3,3.87 69.7,28.78 46.96,28.78 45.66,30.86
  vias: v1(45.82,30.94)
/KIM_D0: length 108.9
  Top w0.6: 149.49,38.15 149.49,34.65 150.76,33.7 150.76,23.86 149.49,22.59 149.49,20.37
  Top w0.7: 149.49,20.37 149.49,19.1 141.55,8.62 101.87,8.62 99.33,11.16 84.72,11.16 83.77,10.21 74.15,10.21 69.39,5.44
/KIM_D1: length 109.5
  Top w0.6: 146.95,27.99 146.95,23.86 145.68,22.59 145.68,16.87 140.28,9.89 102.33,9.89 99.79,12.43 84.22,12.43 83.13,11.48 73.61,11.48 70.75,8.62 68.53,8.62 65.35,5.44
  Top w0.7: 146.95,38.15 146.95,27.99
/KIM_D2: length 112.3
  Top w0.6: 144.41,38.15 144.41,37.51 143.14,36.24 143.14,25.13 144.41,23.54 144.41,20.37
  Top w0.7: 144.41,20.37 144.41,17.51 139.46,11.16 102.73,11.16 100.19,13.7 83.84,13.7 82.68,12.75 73.09,12.75 70.23,9.89 67.89,9.89 66.62,8.62 64.4,8.62 61.23,5.44
/KIM_D3: length 113.4
  Top w0.6: 141.87,27.99 141.87,23.86 143.14,22.59 143.14,18.14 138.64,12.43 103.14,12.43 100.6,14.97 83.45,14.97 82.3,14.02 72.71,14.02 69.85,11.16 67.41,11.16 66.14,9.89 63.77,9.89 62.5,8.62 60.27,8.62 57.73,6.08
  Top w0.7: 141.87,27.99 141.87,38.15
/KIM_D4: length 97.5
  Top w0.6: 121.55,20.37 121.55,21 122.82,22.59 122.82,30.73 121.55,31.6 121.55,38.15
  Top w0.7: 121.55,20.04 121.55,19.41 118.38,14.96 103.91,14.96 101.34,17.5 74.56,17.5 69.48,12.42 66.87,12.42 65.61,11.15 63.13,11.15 61.97,9.88 59.64,9.88 58.37,8.61 56.15,8.62 53.61,6.08 53.61,4.17
/KIM_D5: length 97.1
  Top w0.6: 49.8,4.49 49.8,6.08 52.02,8.94 54.56,8.94 55.51,9.89 57.73,9.88 59,11.15 61.23,11.15 62.5,12.42 65.15,12.42 66.42,13.69 69.16,13.69 74.24,18.77 101.72,18.77 104.26,16.23 116.15,16.23 117.74,18.46 117.74,25.44 119.01,26.71 119.01,27.66
  Top w0.7: 119.01,38.15 119.01,27.99
/KIM_D6: length 99.8
  Top w0.6: 116.47,20.37 116.47,21 115.2,22.59 115.2,36.24 116.47,37.51 116.47,38.15
  Top w0.7: 45.67,4.49 45.67,5.76 47.89,8.94 50.43,8.94 51.38,10.21 53.92,10.21 54.88,11.16 57.1,11.16 58.37,12.43 60.91,12.42 62.18,13.69 64.72,13.69 65.99,14.96 68.76,14.96 73.84,20.04 102.12,20.04 104.66,17.5 114.88,17.5 116.47,19.41 116.47,20.04
/KIM_D7: length 98
  Top w0.6: 41.54,4.17 41.54,5.76 43.76,8.94 46.3,8.94 47.26,10.21 49.8,10.21 50.75,11.48 53.29,11.48 54.24,12.43 56.46,12.43 57.73,13.7 60.27,13.69 61.54,14.96 64.2,14.96 65.44,16.23 68.36,16.23 73.44,21.31 102.5,21.31 105.04,18.77 107.58,18.77 110.12,21.95 110.12,24.17 111.39,25.44 112.66,25.44 113.93,26.71 113.93,27.66
  Top w0.7: 113.93,27.99 113.93,38.15
/KIM_R~{W}: length 73.5
  Top w0.7: 139.33,20.37 139.33,19.41 134.89,13.7 103.45,13.7 100.91,16.24 81.5,16.2
  Bottom w0.7: 82.03,15.66 82.03,4.82
  vias: v1(81.48,15.65)
/Ram chips (high)/CE_EVEN: length 141.9
  Bottom w0.6: 100.91,76.26 100.91,77.53 ; 117.42,76.26 117.42,77.53 ; 84.4,76.26 84.4,77.53 ; 182.51,76.26 181.55,76.26 180.28,77.53 69.16,77.53 67.89,76.26 66.94,76.26 ; 166.95,76.26 166.95,77.53 ; 133.93,76.26 133.93,77.53 ; 150.44,76.26 150.44,77.53
  Bottom w0.7: 189.02,66.58 188.05,66.58 186.74,67.28 186.74,72.36 183.61,76.25 182.5,76.25 ; 189.98,70.53 189.02,66.59
/Ram chips (high)/CE_ODD: length 171.9
  Top w0.7: 196.72,79.29 196.72,88.97 194.26,89.9 194.26,95.3 198.39,96.88 ; 198.39,96.88 198.39,92.76 ; 198.39,96.88 183.46,109.27 182.51,109.27
  Bottom w0.6: 66.94,109.28 67.89,109.28 68.84,110.55 75.19,110.55 76.46,108.98 84.08,108.98 85.99,110.55 91.7,110.55 92.97,108.98 100.27,108.98 101.86,110.55 107.89,110.55 109.16,108.98 117.1,108.98 118.69,110.55 124.72,110.55 125.99,108.98 133.61,108.98 135.2,110.55 141.23,110.55 142.5,108.98 150.12,108.98 152.03,110.55 157.74,110.55 159.01,108.98 166.95,108.98 168.22,110.55 174.25,110.55 175.52,108.98 182.51,108.98
/Ram chips (high)/~{DIN_4}: length 113
  Top w0.6: 106.31,109.27 105.04,109.27 103.77,108.31 103.77,62.28 116.79,62.28 120.28,57.51 120.28,43.86 121.55,42.91 124.09,42.91 125.36,41.96 125.36,36.56 126.63,35.61 126.63,30.84 125.36,29.89 125.36,22.59 124.09,21.32 124.09,20.37
  Top w0.7: 106.31,76.25 103.93,76.25
/Ram chips (high)/~{DIN_5}: length 117.2
  Top w0.6: 121.55,27.99 121.55,29.26 120.28,30.21 120.28,41.96 117.74,43.86 117.74,49.99 116.15,50.9 116.15,58.47 115.2,59.42
  Top w0.7: 89.8,76.25 87.26,76.25 ; 88.21,58.78 87.26,59.74 87.26,108.31 88.53,109.27 89.8,109.27
  Bottom w0.6: 88.01,59.45 115.2,59.45
  vias: v1(88.01,58.84) v1(115.08,59.23)
/Ram chips (high)/~{DIN_6}: length 140.8
  Top w0.6: 106.51,54.18 107.58,52.75 107.58,42.59 110.12,40.37 110.12,33.07 107.58,31.11 107.58,22.59
  Top w0.7: 73.29,76.25 70.75,76.25 ; 73.29,109.27 72.02,109.27 70.75,108.31 70.75,58.71 72.34,57.51
  Bottom w0.6: 72.57,56.89 81.54,56.89 84.08,53.08 91.84,53.08 92.37,54.35 105.99,54.35
  Bottom w0.7: 119.01,20.38 119.01,21.33 118.05,23.24 108.01,23.24
  vias: v1(72.57,57.48) v1(106.02,53.85) v1(108.02,22.68)
